# KiCad board AnalogFNN.kicad_pcb (continued)
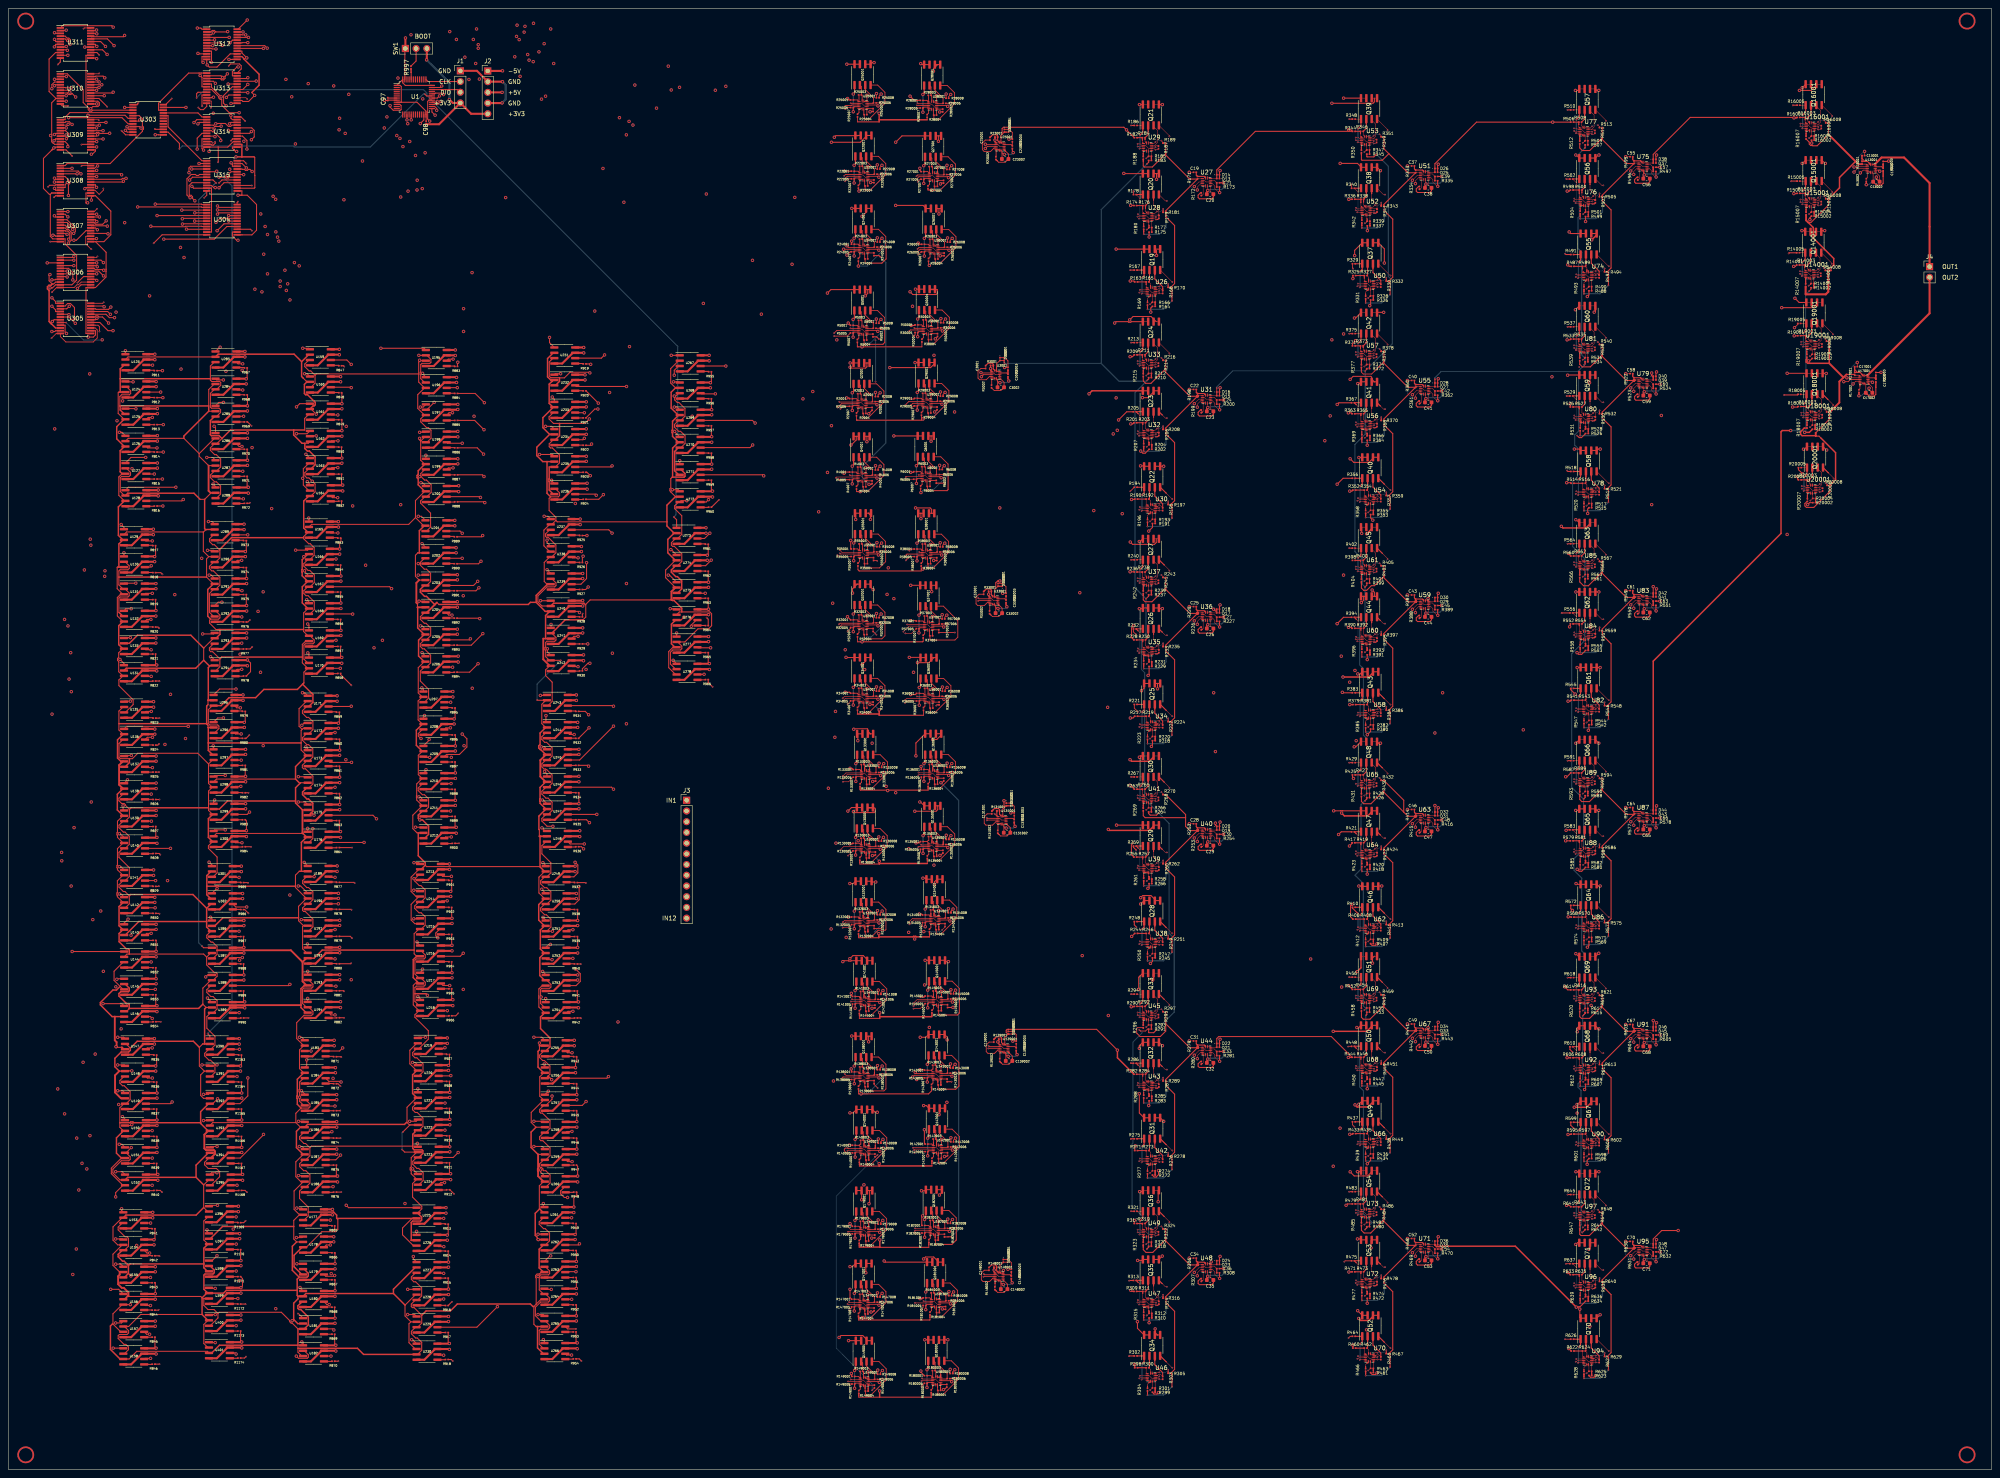
[diagram p0: board, top side]
## Routing (per net, layer and track width the routed paths; a pad name or vN(x,y) marks a point on that pad's centre or on a via; arc(x,y) is an arc through that point) (continued)
/SWCLK: length 8.4
  Top w0.25: J1.2 99.45,329.16 U1.37
/SWDIO: length 7
  Top w0.25: U1.34 106.47,327.25 J1.3
/VariableWeights/CS111: length 52.9
  Top w0.25: U123.1 27.73,265.31 v1(27.72,265.32) ; U304.2 45.88,299.32 45.77,299.43 v1(30.63,299.43)
  In3.Cu w0.25: v1(27.72,265.32) 27.72,295.06 27.78,295.12 28.12,295.46 28.12,295.93 27.72,296.33 27.72,296.52 v1(30.63,299.43)
/VariableWeights/CS112: length 53.1
  Top w0.25: v1(29.55,257.94) 27.84,257.94 ; U304.3 v1(41.09,298.68)
  In3.Cu w0.25: v1(29.55,257.94) 29.55,287.13 v1(41.09,298.68)
/VariableWeights/CS113: length 57.6
  Top w0.25: v1(30.22,251.55) 30.16,251.61 U125.1 ; U304.4 v1(44.17,298.02)
  In5.Cu w0.25: v1(44.17,298.02) 42.89,296.74 42.89,267.92 30.22,255.25 v1(30.22,251.55)
/VariableWeights/CS114: length 68.8
  Top w0.25: U304.5 v1(35.22,297.38) ; U126.1 26.89,245.99 v1(26.3,245.99)
  In5.Cu w0.25: v1(35.22,297.38) 35.22,282.88 26.13,273.79 26.13,249.28 26.35,249.05 26.35,246.04 v1(26.3,245.99)
/VariableWeights/CS115: length 71.4
  Top w0.25: v1(41.22,296.61) 41.33,296.73 U304.6 ; U127.1 29.05,240.03 v1(32.54,240.03)
  In3.Cu w0.25: v1(32.54,240.03) 32.54,253.45 37.93,258.84 37.93,293.33 v1(41.22,296.61)
/VariableWeights/CS116: length 80.2
  Top w0.25: v1(39.68,232.95) 28.42,232.95 U128.1 ; 47,296.07 v1(44.12,296.07)
  In5.Cu w0.25: v1(39.68,232.95) 43.89,237.16 43.89,294.28 43.79,294.37 43.79,294.66 43.89,294.75 43.89,295.84 v1(44.12,296.07)
/VariableWeights/CS117: length 67.9
  Top w0.25: v1(50.18,266.16) 50.08,266.16 49.08,265.15 ; U313.19 53.08,327.93 50.99,325.84 50.99,324.02 v1(51.61,323.4)
  In3.Cu w0.25: v1(50.18,266.16) 50.98,266.97 50.98,304.98 50.16,305.8 49.61,305.8 49.23,306.19 49.23,306.7 51.45,308.92 51.45,323.23 v1(51.61,323.4)
/VariableWeights/CS118: length 78.7
  Top w0.25: v1(56.73,328.48) 55.53,327.27 U313.18 ; 49.08,258.7 49.38,258.4 v1(50.94,258.4)
  In3.Cu w0.25: v1(50.94,258.4) 52.21,259.67 52.21,262.63 56.38,266.79 56.38,306.46 56.46,306.54 56.46,307.53 55.16,308.84 55.16,321.44 55.25,321.53 55.25,322.01 55.16,322.1 55.16,326.9 v1(56.73,328.48)
/VariableWeights/CS119: length 81.5
  Top w0.25: U313.17 56.61,326.62 v1(56.73,326.51) ; 49.08,252.25 49.89,253.07 v1(50.93,253.07)
  In3.Cu w0.25: v1(56.73,326.51) 57.25,325.99 57.25,317.78 57,317.54 57,317.06 57.25,316.81 57.25,315.85 57,315.6 57,315.12 57.25,314.87 57.25,308.24 57.08,308.07 57.08,306.49 56.73,306.13 56.73,260 50.93,254.2 v1(50.93,253.07)
/VariableWeights/CS121: length 84.9
  Top w0.25: U129.1 27.38,223.46 v1(26.72,224.12) ; U304.8 41.32,295.43 v1(41.25,295.36)
  In5.Cu w0.25: v1(41.25,295.36) 38.84,292.95 38.84,277.06 27.68,265.89 27.48,265.89 27.14,265.56 27.14,265.36 26.73,264.94 26.73,253.92 26.48,253.67 26.48,253.19 26.73,252.94 26.73,248.41 26.72,248.4 26.72,246.38 26.87,246.22 26.87,245.75 26.72,245.59 v1(26.72,224.12)
/VariableWeights/CS122: length 95
  Top w0.25: v1(33.75,294.86) 33.87,294.74 41.9,294.74 42.01,294.85 45.8,294.85 45.88,294.77 U304.9 ; v1(27.38,217.41) U130.1
  In1.Cu w0.25: v1(27.38,217.41) 27.73,217.76 27.73,224.71 27.38,225.06 27.38,252.94 27.63,253.19 27.63,253.67 27.38,253.92 27.38,264.85 27.14,265.08 27.14,265.56 27.38,265.79 27.38,288.49 v1(33.75,294.86)
/VariableWeights/CS123: length 105
  Top w0.25: U304.23 49.87,299.32 v1(49.55,299.65) ; 27.47,210.2 v1(30.19,210.2)
  In5.Cu w0.25: v1(30.19,210.2) 30.19,220.1 44.37,234.27 44.37,294.24 46.24,296.11 46.24,296.35 v1(49.55,299.65)
/VariableWeights/CS124: length 109.6
  Top w0.25: U132.1 27.86,204.14 v1(29.11,204.14) ; v1(49.55,298.71) 49.59,298.68 U304.22
  In5.Cu w0.25: v1(49.55,298.71) 45.59,294.76 45.59,224.39 29.11,207.9 v1(29.11,204.14)
/VariableWeights/CS125: length 115.5
  Top w0.25: U304.21 49.85,298.02 v1(49.55,297.72) ; v1(28.88,197.3) 27.47,197.3
  In1.Cu w0.25: v1(28.88,197.3) 30.5,198.92 30.5,209.62 47.6,226.72 47.6,293.35 49.25,295 49.35,295 49.82,295.47 49.82,297.45 v1(49.55,297.72)
/VariableWeights/CS126: length 133.9
  Top w0.25: v1(26.43,192.12) 27.38,191.17 U134.1 ; U304.20 v1(52.2,297.38)
  In1.Cu w0.25: v1(27.54,295.7) 26.41,294.57 26.41,252.23 27.02,251.62 27.02,224.74 27.38,224.39 27.38,221.4 26.43,220.46 v1(26.43,192.12)
  In2.Cu w0.25: v1(52.2,297.38) 51.92,297.1 43.77,297.1 42.66,295.99 27.83,295.99 v1(27.54,295.7)
/VariableWeights/CS127: length 99.9
  Top w0.25: v1(47.39,224.81) 48.27,224.81 U289.1 ; U314.7 45.88,316.88 44.74,315.74 v1(44.74,313.15)
  In5.Cu w0.25: v1(44.74,313.15) 47.04,310.85 47.04,304.4 50.53,300.91 50.53,297.13 50.17,296.78 50.17,293.17 46.38,289.37 46.38,225.82 v1(47.39,224.81)
/VariableWeights/CS128: length 105.5
  Top w0.25: v1(50.32,315.17) 50.32,315.63 48.69,317.26 48.39,317.26 48.12,317.52 47,317.52 ; v1(47.18,217.99) 48.64,217.99 U290.1
  In1.Cu w0.25: v1(47.18,217.99) 49.72,220.53 49.72,260.01 50.52,260.81 50.52,265.69 50.75,265.92 50.75,266.4 50.52,266.63 50.52,298.35 50.89,298.72 50.89,314.6 v1(50.32,315.17)
/VariableWeights/CS129: length 112.2
  Top w0.25: v1(47.58,212.11) 48.07,212.11 U291.1 ; U314.5 48.48,318.18 v1(48.77,317.88)
  In5.Cu w0.25: v1(47.58,212.11) 47.58,217.58 47.75,217.75 47.75,218.23 47.58,218.4 47.58,224.19 47.63,224.24 47.96,224.58 47.96,225.05 47.93,225.08 47.93,227.93 47.58,228.28 47.58,239.77 47.58,239.77 47.58,240.25 47.58,240.25 47.58,289.9 50.58,292.9 50.58,296.68 50.88,296.98 50.88,301.06 50.58,301.36 50.58,314.61 50.89,314.93 50.89,315.41 50.58,315.72 50.58,316.07 v1(48.77,317.88)
/VariableWeights/CS131: length 129.6
  Top w0.25: U304.19 50.15,296.73 v1(49.19,295.76) ; v1(28.91,182.22) 27.54,182.22
  In1.Cu w0.25: v1(28.91,182.22) 28.12,183.01 28.12,264.91 28.29,265.08 28.29,265.56 28.12,265.72 28.12,274.84 49.05,295.76 v1(49.19,295.76)
/VariableWeights/CS132: length 141.2
  Top w0.25: v1(42.61,176.25) 28.02,176.25 U136.1 ; 54.2,296.07 v1(52.2,296.07)
  In5.Cu w0.25: v1(52.2,296.07) 52.17,296.05 52.17,185.81 v1(42.61,176.25)
/VariableWeights/CS133: length 140
  Top w0.25: v1(49.45,293.79) 51.09,295.43 U304.17 ; v1(29.13,169.35) 27.57,169.35
  In1.Cu w0.25: v1(49.45,293.79) 49.37,293.71 49.37,247.16 48.87,246.66 48.87,234.14 49.07,233.94 49.07,233.47 48.87,233.27 48.87,220.73 30.97,202.83 30.97,171.19 v1(29.13,169.35)
/VariableWeights/CS134: length 151.5
  Top w0.25: v1(28.21,163.56) 27.42,162.78 ; U304.16 51.75,294.77 48.76,291.79 v1(36.82,291.79)
  In3.Cu w0.25: v1(36.82,291.79) 30.91,285.88 30.91,166.27 v1(28.21,163.56)
/VariableWeights/CS135: length 132.3
  Top w0.25: v1(15.65,272.97) 15.65,275.57 14.71,276.51 14.01,276.51 13.43,275.93 U305.2 ; v1(27.17,157.38) 27.17,156.56 U139.1
  In1.Cu w0.25: v1(19.62,158.31) 19.62,206.91 15.3,211.23 15.3,271.56 15.27,271.6 15.27,272.07 15.6,272.41 15.65,272.46 v1(15.65,272.97)
  In2.Cu w0.25: v1(27.17,157.38) 26.24,158.31 v1(19.62,158.31)
/VariableWeights/CS136: length 134.3
  Top w0.25: U140.1 26.51,150.77 v1(26.29,150.77) ; v1(14.42,275.88) 13.82,275.27 U305.3
  In1.Cu w0.25: v1(14.42,275.88) 14.42,274.51 14.48,274.46 14.58,274.46 14.92,274.12 14.92,274.02 15.4,273.53 15.42,273.55 15.89,273.55 16.23,273.21 16.23,272.7 22.12,266.81 22.12,212.52 v1(22.82,211.82)
  In5.Cu w0.25: v1(26.29,150.77) 22.82,154.24 v1(22.82,211.82)
/VariableWeights/CS137: length 144.8
  Top w0.25: v1(53.93,185.1) 50.02,185.1 U295.1 ; U314.23 53.08,320.12 52.72,320.48 v1(52.72,321.1)
  In1.Cu w0.25: v1(52.72,321.1) 53.35,320.47 53.35,311.61 53.3,311.56 53.3,311.04 53.31,311.03 53.31,310.17 53.35,310.13 53.35,309.65 53.31,309.61 53.31,308.83 53.58,308.55 53.58,298.37 53.88,298.07 53.88,295.38 53.73,295.23 53.73,185.3 v1(53.93,185.1)
/VariableWeights/CS138: length 147.8
  Top w0.25: v1(50.95,178.24) 49.61,178.24 U296.1 ; U314.22 52.74,319.48 v1(52.4,319.13)
  In1.Cu w0.25: v1(50.95,178.24) 52.82,180.11 52.82,295.32 53.18,295.67 53.18,297.78 52.82,298.13 52.82,307.23 52.26,307.79 52.22,307.79 51.88,308.13 51.88,308.61 52.14,308.86 52.14,310.14 52.24,310.24 52.31,310.24 52.39,310.31 52.39,314.69 52.18,314.9 52.18,315.37 52.39,315.58 52.39,317 52.74,317.36 52.74,318.78 v1(52.4,319.13)
/VariableWeights/CS139: length 155.3
  Top w0.25: v1(48.53,171.62) 48.62,171.53 U297.1 ; U314.21 52.97,318.82 52.66,318.51 52.14,318.51 51.43,319.21 49.21,319.21 v1(49.13,319.13)
  In3.Cu w0.25: v1(49.13,319.13) 49.41,318.85 49.41,317.64 47.77,315.99 47.77,313.19 47.79,313.17 48.13,312.83 48.13,312.35 48.12,312.35 48.12,304.51 48.04,304.42 48.04,303.61 48.12,303.53 48.12,234.14 47.92,233.94 47.92,233.47 48.12,233.27 48.12,225.39 48.61,224.9 48.61,211.24 48.53,211.17 v1(48.53,171.62)
/VariableWeights/CS141: length 150.9
  Top w0.25: U305.4 11.18,274.62 11.18,275 v1(10.3,275.88) ; v1(26.28,142.96) 26.67,142.96 U141.1
  In1.Cu w0.25: v1(12.64,144.36) 11.94,145.07 11.94,274.24 v1(10.3,275.88)
  In2.Cu w0.25: v1(26.28,142.96) 24.88,144.36 v1(12.64,144.36)
/VariableWeights/CS142: length 152
  Top w0.25: v1(14.34,273.88) 14.25,273.98 U305.5 ; v1(26.27,136.5) 26.68,136.5 U142.1
  In2.Cu w0.25: v1(14.87,138.39) 24.39,138.39 v1(26.27,136.5)
  In5.Cu w0.25: v1(14.34,273.88) 14.83,273.39 14.83,228.74 15.53,228.04 15.53,162.33 14.87,161.67 v1(14.87,138.39)
/VariableWeights/CS143: length 157.5
  Top w0.25: v1(28.35,130.53) 27.42,129.61 U143.1 ; U305.6 14.08,273.32 14.1,273.31 14.37,273.31 v1(15.84,271.83)
  In1.Cu w0.25: v1(20,130.42) 20.26,130.68 20.26,206.95 15.84,211.36 v1(15.84,271.83)
  In2.Cu w0.25: v1(20,130.42) 28.23,130.42 v1(28.35,130.53)
/VariableWeights/CS144: length 165.7
  Top w0.25: v1(10.41,272.26) 10.82,272.68 U305.7 ; U144.1 v1(15.1,122.85)
  In1.Cu w0.25: v1(10.41,272.26) 11.59,271.08 11.59,126.37 v1(15.1,122.85)
/VariableWeights/CS145: length 166.5
  Top w0.2: U305.8 13.65,272.02 v2(13.69,271.99)
  Top w0.25: v1(25.69,116.27) 25.83,116.41 U145.1
  In5.Cu w0.25: v1(22.21,267.9) 22.21,134.79 25.69,131.31 v1(25.69,116.27)
  Bottom w0.2: v2(13.69,271.99) 17.82,267.86 22.16,267.86 v1(22.21,267.9)
/VariableWeights/CS146: length 171.6
  Top w0.25: U305.9 13.43,271.38 13.43,269.75 v1(13.76,269.42) ; v1(22.42,110.49) 26.89,110.49 U146.1
  In1.Cu w0.25: v1(22.42,110.49) 18.64,114.27 18.64,150.67 13.48,155.83 13.48,200.33 14.28,201.12 14.28,268.9 v1(13.76,269.42)
/VariableWeights/CS147: length 184.6
  Top w0.25: v1(47.55,144.06) 48.23,143.38 U301.1 ; U314.17 55.47,316.23 56.52,315.17 v1(56.52,313.15)
  In3.Cu w0.25: v1(47.55,144.06) 47.55,192.27 47.32,192.51 47.32,192.98 47.55,193.21 47.55,210.85 48.21,211.51 48.21,224.25 47.92,224.53 47.96,224.58 47.96,225.05 47.55,225.46 47.55,239.74 47.58,239.77 47.58,240.25 47.55,240.28 v1(47.55,312.59)
  In4.Cu w0.25: v1(47.55,312.59) 48.23,313.27 56.4,313.27 v1(56.52,313.15)
/VariableWeights/CS148: length 183.2
  Top w0.25: U302.1 49.36,137.79 v1(49.45,137.79) ; v2(52.76,315.14) 53.08,315.46 53.08,315.57 U314.16
  In5.Cu w0.25: v1(49.45,137.79) 52.52,140.85 52.52,295.51 52.83,295.82 52.83,297.63 52.1,298.36 52.1,306.29 52.43,306.62 52.43,307.09 52.1,307.42 52.1,307.91 51.88,308.13 51.88,308.61 52.1,308.83 52.1,314.48 v2(52.76,315.14)
/VariableWeights/CS149: length 181.5
  Top w0.25: v1(44.18,300.88) 43.64,301.43 43.64,301.85 43.3,302.19 42.88,302.19 42.84,302.23 42.84,304.53 43.48,305.18 U315.9 ; v1(47.9,130.98) 48.23,130.65 U386.1
  In1.Cu w0.25: v1(45.81,216.1) 46.7,215.21 46.7,146.59 48.21,145.08 48.21,143.78 47.86,143.43 47.86,131.02 v1(47.9,130.98)
  In3.Cu w0.25: v1(44.18,300.88) 44.79,300.27 44.79,217.11 v1(45.81,216.1)
/VariableWeights/CS151: length 180.2
  Top w0.25: U305.23 22.51,275.93 v1(22.67,275.76) ; v1(25.89,102.52) 27.31,102.52 U147.1
  In3.Cu w0.25: v1(25.89,102.52) 23.13,105.27 23.13,211.33 23.39,211.59 23.39,212.06 23.13,212.32 23.13,212.58 23.45,212.9 23.45,213.38 23.13,213.7 23.13,268.29 22.85,268.58 22.85,270.43 22.8,270.47 22.8,275.63 v1(22.67,275.76)
/VariableWeights/CS152: length 187.9
  Top w0.25: U305.22 20.62,275.27 20.76,275.14 23.73,275.14 v1(24.27,275.68) ; v1(25.89,95.96) 27.42,95.96 U148.1
  In1.Cu w0.25: v1(25.89,95.96) 24.46,97.38 24.46,212.42 24.5,212.47 24.5,213.81 24.46,213.86 24.46,269.61 24.22,269.85 24.22,270.33 24.46,270.57 24.46,271.31 24.65,271.51 24.65,272.27 24.52,272.41 24.52,273.43 24.83,273.74 24.83,275.12 v1(24.27,275.68)
/VariableWeights/CS153: length 192.3
  Top w0.25: v1(25.89,89.83) 27.1,89.83 U149.1 ; U305.21 23.51,274.62 v1(24.17,273.97)
  In1.Cu w0.25: v1(25.89,89.83) 24.09,91.63 24.09,212.55 24.15,212.61 24.15,213.67 24.09,213.73 24.09,239.24 23.86,239.48 23.86,270.47 24.05,270.65 24.05,271.4 24.3,271.65 24.3,272.13 24.05,272.38 24.05,273.85 v1(24.17,273.97)
/VariableWeights/CS154: length 197.8
  Top w0.25: U305.20 23.12,273.98 23.92,273.17 v1(25.14,273.17) ; v1(27.02,83.68) 27.62,83.08 27.62,82.86
  In1.Cu w0.25: v1(27.02,83.68) 27.02,103.26 24.81,105.47 24.81,212.28 24.85,212.32 24.85,264.54 25.14,264.83 25.14,269.63 25.37,269.85 25.37,270.33 25.14,270.55 v1(25.14,273.17)
/VariableWeights/CS155: length 202.7
  Top w0.25: U305.19 20.46,273.32 20.73,273.59 21.21,273.59 21.48,273.32 22.29,273.32 v1(23.73,271.89) ; v1(26.26,77.14) 26.89,77.14 U151.1
  In1.Cu w0.25: v1(26.26,77.14) 26.26,81.98 23.74,84.49 23.74,212.69 23.8,212.76 23.8,213.52 23.74,213.59 23.74,239.1 23.51,239.33 23.51,270.61 23.7,270.8 23.7,271.86 v1(23.73,271.89)
/VariableWeights/CS156: length 208.5
  Top w0.25: U305.18 20.63,272.68 v1(20.97,273.02) ; v1(25.41,70.64) 26.94,70.64 U152.1
  In5.Cu w0.25: v1(25.41,70.64) 20.97,75.08 20.97,98.13 21.14,98.3 21.14,98.77 20.97,98.94 v1(20.97,273.02)
/VariableWeights/CS157: length 212.3
  Top w0.25: v1(49.37,307.9) 49.24,307.77 U315.5 ; U390.1 47.73,102.88 v2(47.2,103.4)
  Bottom w0.25: v2(47.2,103.4) 53,109.2 53,304.41 49.51,307.9 v1(49.37,307.9)
/VariableWeights/CS158: length 221.8
  Top w0.25: U315.4 v1(43.44,308.43) ; U391.1 47.52,95.96 v1(45.89,95.96)
  In3.Cu w0.25: v1(43.44,308.43) 42.77,308.43 41.27,306.92 41.27,300.03 41.71,299.59 41.71,297 41.89,296.82 41.89,294.73 41.58,294.42 41.58,293.9 42.32,293.15 42.32,176.78 42.03,176.48 42.03,176.01 42.32,175.71 42.32,173.82 42.54,173.61 42.54,173.13 42.32,172.91 42.32,99.52 v1(45.89,95.96)
/VariableWeights/CS159: length 228.6
  Top w0.25: 47,309.07 43.19,309.07 42.78,308.67 v1(42.78,307.55) ; U392.1 47.4,88.98 v1(46.23,88.98)
  In3.Cu w0.25: v1(42.78,307.55) 41.62,306.38 41.62,303.09 42.07,302.64 42.07,297.14 42.42,296.79 42.42,294.92 42.89,294.45 42.89,176.78 43.18,176.48 43.18,176.01 42.89,175.71 42.89,100.44 46.54,96.78 46.54,89.29 v1(46.23,88.98)
/VariableWeights/CS161: length 217.1
  Top w0.25: v1(26.82,61.84) 26.82,61.41 U153.1 ; v1(24.79,270.09) 23.59,270.09 21.66,272.02 U305.17
  In5.Cu w0.25: v1(24.79,270.09) 24.64,269.93 24.64,161.18 27.65,158.16 27.65,157.72 27.74,157.62 27.74,157.14 27.65,157.05 27.65,62.67 v1(26.82,61.84)
/VariableWeights/CS162: length 222.1
  Top w0.2: 20.62,271.38 21.23,271.38 21.57,271.03 v2(21.57,269.9)
  Top w0.25: U305.16 20.62,271.38 ; v1(25.41,54.7) 27.08,54.7
  In3.Cu w0.25: v1(25.41,54.7) 21.49,58.62 21.49,130.73 21.2,131.01 21.2,268.21 21.57,268.58 v2(21.57,269.9)
/VariableWeights/CS163: length 248.9
  Top w0.25: v1(25.41,48.72) 26.61,48.72 U155.1 ; v1(15.5,286.8) 15.49,286.81 U306.2
  In3.Cu w0.25: v1(15.5,286.8) 15.59,286.8 20.36,282.03 20.36,281.76 20.7,281.42 20.97,281.42 21.25,281.14 21.25,273.56 21.55,273.26 21.55,272.78 21.25,272.48 21.25,270.39 21,270.14 21,269.66 21.22,269.43 21.22,268.72 20.8,268.3 20.8,130.92 20.92,130.8 20.92,130.03 20.8,129.91 20.8,99.11 20.8,99.11 21.14,98.77 21.14,98.3 20.8,97.96 20.8,53.33 v1(25.41,48.72)
/VariableWeights/CS164: length 256.2
  Top w0.25: v1(24.24,42.74) 26.14,42.74 U156.1 ; U306.3 v1(9.2,286.16)
  In1.Cu w0.25: v1(24.24,42.74) 9.2,57.79 v1(9.2,286.16)
/VariableWeights/CS165: length 261.1
  Top w0.25: U157.1 26.79,34.77 v1(25.41,34.77) ; U306.4 v1(15.5,285.51)
  In3.Cu w0.25: v1(25.41,34.77) 20.33,39.86 20.33,97.96 20.32,97.96 19.99,98.3 19.99,98.77 20.33,99.11 20.33,129.93 20.57,130.18 20.57,130.65 20.33,130.9 20.33,269.96 20.69,270.33 20.69,272.48 20.39,272.78 20.39,273.26 20.69,273.56 20.69,280.32 v1(15.5,285.51)
/VariableWeights/CS166: length 265.8
  Top w0.25: U306.5 14.25,284.86 15.27,283.85 v1(15.27,282.11) ; v1(24.83,28.79) 27.19,28.79
  In1.Cu w0.25: v1(24.83,28.79) 24.83,82.74 23.17,84.39 23.17,211.37 23.39,211.59 23.39,212.06 23.17,212.28 23.17,212.62 23.45,212.9 23.45,213.38 23.17,213.66 23.17,239.17 23.09,239.25 23.09,270.69 23.17,270.77 23.17,271.63 23.15,271.65 23.15,272.13 23.52,272.5 23.52,273.85 16.48,280.89 16.12,280.89 15.78,281.23 15.78,281.6 v1(15.27,282.11)
/VariableWeights/CS167: length 255.3
  Top w0.25: v1(57.75,307.83) 57.25,308.33 56.86,308.33 56.64,308.1 56.16,308.1 55.91,308.35 55.4,308.35 55.33,308.43 U315.21 ; U396.1 47.74,62.67 v1(49.55,62.67)
  In3.Cu w0.25: v1(57.75,307.83) 57.75,306.66 57.08,305.99 57.08,254.56 51.23,248.71 51.23,205.43 50.33,204.53 50.33,172.86 50.84,172.35 50.84,164.88 50.81,164.84 50.81,164.37 50.84,164.33 50.84,151.97 50.81,151.94 50.81,151.46 50.84,151.43 50.84,138.7 51.08,138.46 51.08,64.19 v1(49.55,62.67)
/VariableWeights/CS168: length 256.7
  Top w0.25: v1(47.05,56.83) 47.05,56.48 U397.1 ; v1(51.85,306.86) 52.77,307.77 U315.20
  In1.Cu w0.25: v1(47.05,56.83) 48.21,57.98 48.21,130.48 48.47,130.75 48.47,131.22 48.21,131.49 48.21,143.11 48.56,143.46 48.56,145.4 48.21,145.75 48.21,171.14 47.96,171.39 47.96,171.86 48.21,172.11 48.21,192.24 48.47,192.51 48.47,192.98 48.21,193.25 48.21,218.5 50.07,220.37 50.07,259.86 51.11,260.9 51.11,298.44 51.85,299.19 v1(51.85,306.86)
/VariableWeights/CS169: length 263.5
  Top w0.25: v1(55.76,307.08) 55.37,307.08 55.33,307.12 U315.19 ; 48.27,49.56 v1(49.43,50.71)
  In3.Cu w0.25: v1(49.43,50.71) 49.43,55.82 48.93,56.32 48.93,70.07 48.85,70.15 48.85,70.62 48.93,70.7 48.93,76.33 48.86,76.39 48.86,76.87 48.93,76.93 48.93,95.66 48.85,95.74 48.85,96.21 48.93,96.29 48.93,129.71 50.73,131.51 50.73,138.31 50.46,138.59 50.46,152.08 50.49,152.12 50.49,164.19 50.46,164.22 50.46,172.24 49.98,172.72 49.98,210.63 50.42,211.07 50.42,248.11 50.29,248.24 50.29,261.2 55.76,266.67 v1(55.76,307.08)
/VariableWeights/CS211: length 73.8
  Top w0.25: U306.6 v1(13.94,284.21) ; U159.1 71.21,265.91 v1(69.75,265.91)
  In2.Cu w0.25: v1(13.94,284.21) 17.95,284.21 20.36,281.8 20.36,281.76 20.7,281.42 20.74,281.42 20.96,281.2 v1(66.18,281.2)
  In3.Cu w0.25: v1(66.18,281.2) 66.18,280.11 66.43,279.86 66.43,279.38 66.36,279.31 69.75,275.91 v1(69.75,265.91)
/VariableWeights/CS212: length 80.9
  Top w0.25: U160.1 70.8,259.87 v1(70.19,259.87) ; U306.7 v1(14.57,283.56)
  In2.Cu w0.25: v1(19.25,259.83) 70.15,259.83 v1(70.19,259.87)
  In3.Cu w0.25: v1(19.25,259.83) 19.25,268.08 19.49,268.32 19.49,268.8 19.25,269.04 19.25,279.01 16.93,281.34 16.93,281.71 16.59,282.04 16.23,282.04 14.71,283.56 v1(14.57,283.56)
/VariableWeights/CS213: length 86.9
  Top w0.25: v1(13.92,282.81) 13.82,282.91 U306.8 ; v1(68.27,252.01) 69.03,252.77 U161.1
  In2.Cu w0.25: v1(64.4,280.55) 18.97,280.55 16.71,282.81 v1(13.92,282.81)
  In5.Cu w0.25: v1(64.4,280.55) 65.28,279.67 65.28,279.38 65.61,279.05 65.9,279.05 68.27,276.68 v1(68.27,252.01)
/VariableWeights/CS214: length 99
  Top w0.25: v1(68.26,245.64) 70.77,245.64 U162.1 ; v1(10.3,282.13) 11.04,282.13 11.18,282.26 U306.9
  In2.Cu w0.25: v1(68.26,245.64) 67.11,246.79 v1(10.96,246.79)
  In3.Cu w0.25: v1(10.96,246.79) 11.09,246.92 11.09,281.34 v1(10.3,282.13)
/VariableWeights/CS215: length 96.4
  Top w0.25: v1(22.5,286.23) 21.93,286.81 U306.23 ; v1(70.5,240.78) 71.41,239.87
  In4.Cu w0.25: v1(22.5,286.23) v1(67.77,286.23)
  In5.Cu w0.25: v1(70.5,240.78) 70.5,254.62 69.09,256.04 69.09,281.7 67.77,283.02 v1(67.77,286.23)
/VariableWeights/CS216: length 103.1
  Top w0.25: U164.1 71.45,233.64 v1(70.83,234.26) ; U306.22 v1(20.91,286.16)
  In1.Cu w0.25: v1(70.83,234.26) 70.31,234.78 70.31,234.83 70.31,235.31 69.98,235.65 69.5,235.65 69.47,235.62 68.92,236.17 v1(68.92,285.46)
  In2.Cu w0.25: v1(20.91,286.16) 21.26,285.81 21.28,285.81 21.63,285.46 v1(68.92,285.46)
/VariableWeights/CS221: length 106.5
  Top w0.25: v1(21.04,285.24) 20.77,285.51 U306.21 ; 71.22,224.81 71.22,225.57 v1(71.16,225.64)
  In2.Cu w0.25: v1(64.4,281.85) 24.43,281.85 23.11,283.17 23.11,283.32 22.77,283.66 22.62,283.66 22.43,283.84 22.34,283.84 22,284.18 22,284.28 v1(21.04,285.24)
  In5.Cu w0.25: v1(71.16,225.64) 68.98,227.81 68.98,255.4 68.74,255.65 68.74,277.52 66.43,279.82 66.43,279.86 66.09,280.2 66.06,280.2 v1(64.4,281.85)
/VariableWeights/CS222: length 117.1
  Top w0.25: U306.20 20.3,284.86 20.6,284.56 22.43,284.56 v1(22.57,284.42) ; 71.22,218.35 70.91,218.04 v1(68.06,218.04)
  In3.Cu w0.25: v1(65.53,284.42) 65.53,280.11 65.28,279.86 65.28,279.38 65.5,279.16 65.5,220.59 v1(68.06,218.04)
  In4.Cu w0.25: v1(22.57,284.42) v1(65.53,284.42)
/VariableWeights/CS223: length 123.1
  Top w0.25: v1(70.18,213.14) 70.18,212.95 71.22,211.91 ; v1(22.53,283.08) 21.41,284.21 U306.19
  In4.Cu w0.25: v1(70.18,213.14) 70.03,213 23.02,213 v1(22.88,213.14)
  In5.Cu w0.25: v1(22.53,283.08) 22.02,282.57 22.02,274.03 22.88,273.17 v1(22.88,213.14)
/VariableWeights/CS224: length 124.8
  Top w0.25: U306.18 v1(20.91,283.56) ; 71.22,205.46 71.22,205.74 v1(70.69,206.27)
  In4.Cu w0.25: v1(61.4,283.56) 22.87,283.56 22.77,283.66 22.3,283.66 22.2,283.56 v1(20.91,283.56)
  In5.Cu w0.25: v1(70.69,206.27) 70.69,212.84 70.75,212.9 70.75,213.38 70.69,213.44 70.69,218.85 62.28,227.27 62.12,227.27 61.76,227.63 61.76,228.15 62.1,228.5 62.1,283.21 61.75,283.56 v1(61.4,283.56)
/VariableWeights/CS225: length 136.1
  Top w0.25: 71.22,199 71.22,200.2 v1(70.91,200.51) ; U306.17 17.8,282.91 v2(16.35,281.47)
  In2.Cu w0.25: v2(16.35,281.47) 20.45,277.37 v1(66.72,277.37)
  In3.Cu w0.25: v1(70.91,200.51) 69.21,202.22 69.21,234.79 69.16,234.83 69.16,235.31 69.21,235.36 69.21,242.22 66.72,244.71 v1(66.72,277.37)
/VariableWeights/CS226: length 136.7
  Top w0.25: 71.22,192.56 71.22,193.4 v1(70.94,193.68) ; U306.16 20.67,282.26 v1(20.94,281.99)
  In3.Cu w0.25: v1(70.94,193.68) 68.83,195.79 68.83,218.37 65.85,221.35 v1(65.85,279.62)
  In4.Cu w0.25: v1(65.85,279.62) 64.42,279.62 62.04,281.99 v1(20.94,281.99)
/VariableWeights/CS231: length 172.6
  Top w0.25: v1(69.69,184.22) 70.21,184.22 70.92,183.5 ; v1(14.09,297.07) 14.05,297.07 13.43,297.7 U307.2
  In4.Cu w0.25: v1(14.9,184.48) 69.43,184.48 v1(69.69,184.22)
  In5.Cu w0.25: v1(14.09,297.07) 13.13,296.12 13.13,269.16 13.93,268.37 13.93,200.77 13.48,200.33 13.48,189.23 15,187.72 15,184.57 v1(14.9,184.48)
/VariableWeights/CS232: length 181.3
  Top w0.25: v1(69.54,176.5) 70.09,177.06 ; U307.3 11.18,297.05 v1(10.89,297.33)
  In2.Cu w0.25: v1(10.34,179.15) 66.88,179.15 v1(69.54,176.5)
  In5.Cu w0.25: v1(10.34,179.15) 10.34,248.24 10.9,248.8 10.9,271.94 10.98,272.02 10.98,272.5 10.9,272.58 10.9,292.17 11.17,292.44 11.17,297.05 v1(10.89,297.33)
/VariableWeights/CS233: length 179.3
  Top w0.25: 70.92,170.6 70.92,170.95 v1(70.49,171.38) ; v1(15.45,293.17) 15.86,293.57 15.86,294.41 13.87,296.4 U307.4
  In2.Cu w0.25: v1(15.45,293.17) 16.2,292.41 20.56,292.41 20.63,292.49 21.11,292.49 21.18,292.41 35.87,292.41 36.22,292.76 60.02,292.76 61.47,291.32 v1(64.09,291.32)
  In3.Cu w0.25: v1(64.09,291.32) 63.77,291 63.77,280.28 65.05,279 65.05,176.82 v1(70.49,171.38)
/VariableWeights/CS234: length 186.6
  Top w0.25: U307.5 13.9,295.75 15.22,294.43 v1(15.22,294.11) ; 70.78,164.3 v1(68.71,164.3)
  In2.Cu w0.25: v1(15.22,294.11) 15.51,293.82 20.46,293.82 20.5,293.78 20.84,293.44 21.31,293.44 21.69,293.82 41.66,293.82 41.95,293.53 47.7,293.53 48.61,294.44 59.9,294.44 61.46,292.89 v1(61.4,292.89)
  In5.Cu w0.25: v1(61.4,292.89) 61.46,292.89 61.46,284.19 61.14,284.19 60.77,283.82 60.77,283.3 61.14,282.93 61.35,282.93 61.75,282.54 61.75,228.64 61.41,228.3 61.41,227.49 61.98,226.92 62.13,226.92 68.71,220.34 v1(68.71,164.3)
/VariableWeights/CS235: length 192.6
  Top w0.25: U307.6 13.43,295.1 13.84,294.68 v1(14.09,294.68) ; v1(68.7,158.31) 70.32,158.31 70.92,157.71
  In2.Cu w0.25: v1(60.83,294.79) 41.57,294.79 40.99,294.21 21.69,294.21 21.65,294.25 21.31,294.59 20.84,294.59 20.46,294.21 16,294.21 15.48,294.73 14.14,294.73 v1(14.09,294.68)
  In5.Cu w0.25: v1(60.83,294.79) 60.83,293.2 60.77,293.15 60.77,292.63 60.83,292.57 60.83,288.7 61.07,288.46 61.07,287.98 60.83,287.74 60.83,284.37 60.42,283.96 60.42,283.16 60.77,282.81 60.77,282.53 61.4,281.9 61.4,228.79 61.06,228.44 61.06,227.34 61.75,226.65 61.75,165.26 v1(68.7,158.31)
/VariableWeights/CS236: length 202.9
  Top w0.25: v1(14.23,290.87) 14.88,291.51 14.88,293.45 14.27,294.05 13.82,294.05 13.43,294.45 U307.7 ; v1(70.92,152.06) 70.92,151.25
  In1.Cu w0.25: v1(14.23,290.87) 13.13,289.77 13.13,202.67 13.93,201.87 13.93,201.27 13.13,200.47 13.13,154.65 v1(15.55,152.23)
  In4.Cu w0.25: v1(15.55,152.23) 51.1,152.23 51.14,152.27 51.62,152.27 51.66,152.23 70.75,152.23 v1(70.92,152.06)
/VariableWeights/CS241: length 209.8
  Top w0.25: v1(70.09,143.99) 70.92,143.16 ; U307.8 13.43,293.8 13.52,293.7 14.07,293.7 14.53,293.24 14.53,292.06 v1(14.25,291.79)
  In1.Cu w0.25: v1(12.6,146.36) 12.6,202.01 12.78,202.18 12.78,290.31 v1(14.25,291.79)
  In2.Cu w0.25: v1(70.09,143.99) 67.72,146.36 v1(12.6,146.36)